# KiCad board RASBB.kicad_pcb (continued)
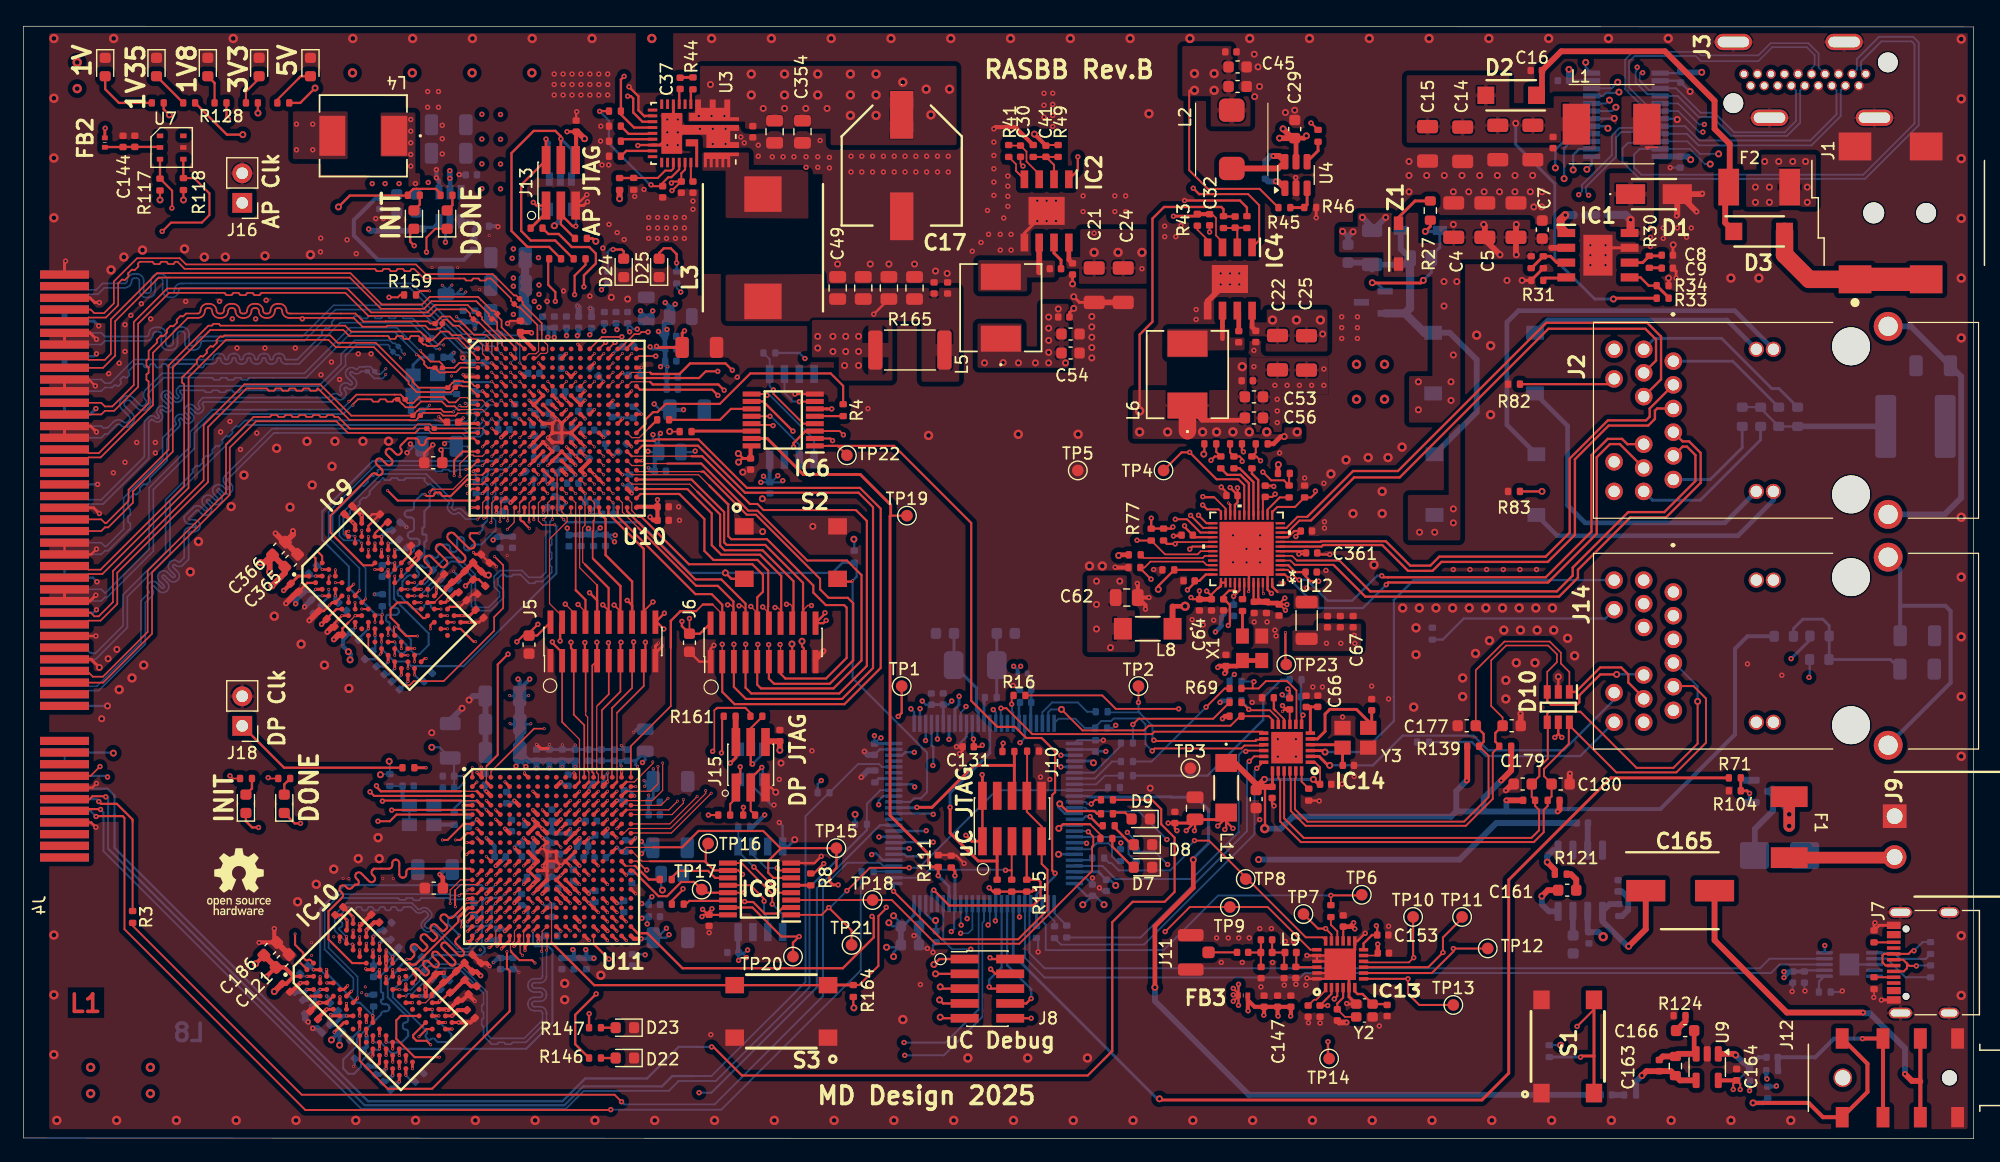
[diagram p0: board, top side]
## Routing (per net, layer and track width the routed paths; a pad name or vN(x,y) marks a point on that pad's centre or on a via; arc(x,y) is an arc through that point) (continued)
/DDR3-2/DDR301_A1: length 27.7
  Top w0.177: v2(34.93,8.05) 34.58,8.4 33.71,8.4 33.43,8.68 33.43,8.9 IC10.P7
  Top w0.25: U11.M6 v2(42.1,21.8)
  In4.Cu w0.177: v2(42.1,21.8) 43.25,20.65 43.25,19.53 43.26,19.52 43.26,17.2 43.95,16.51 45.01,16.51 45.21,16.31 45.21,14.85 37.01,6.65 35.53,6.65 34.92,7.26 34.92,8.04 v2(34.93,8.05)
/DDR3-2/DDR301_A2: length 28.3
  Top w0.25: U11.N4 v2(40.5,21) ; IC10.P3 v2(32.24,7.14)
  In3.Cu w0.177: v2(32.24,7.14) 32.37,7.27 32.37,7.53 32.71,7.87 33.32,7.87 33.47,7.72 33.47,6.93 33.76,6.65 34.1,6.65 34.32,6.87 34.32,7.66 arc(34.28,7.76) 34.17,7.81 arc(34.06,7.85) 34.02,7.96 34.02,8.28 arc(34.06,8.39) 34.17,8.43 34.7,8.43 arc(34.9,8.52) 34.99,8.72 34.99,8.75 arc(34.9,8.95) 34.7,9.03 34.6,9.03 arc(34.4,9.12) 34.32,9.32 34.32,9.86 35.35,10.89 35.68,10.89 36.14,11.35 arc(36.34,11.43) 36.54,11.35 36.57,11.31 arc(36.77,11.23) 36.98,11.31 37,11.34 arc(37.08,11.54) 37,11.74 36.96,11.77 arc(36.88,11.97) 36.96,12.18 36.98,12.2 arc(37.19,12.28) 37.39,12.2 37.49,12.09 arc(37.69,12.01) 37.89,12.09 37.92,12.11 arc(38,12.31) 37.92,12.52 37.81,12.62 arc(37.73,12.82) 37.81,13.02 38.32,13.53 39.4,13.53 39.67,13.8 39.67,14.55 39.56,14.66 arc(39.51,14.78) 39.38,14.84 arc(39.26,14.89) 39.21,15.01 39.21,15.28 arc(39.26,15.41) 39.38,15.46 39.79,15.46 arc(39.95,15.53) 40.01,15.69 40.01,15.83 arc(39.95,15.99) 39.79,16.06 arc(39.63,16.13) 39.56,16.29 39.56,16.54 39.36,16.74 39.36,18.69 arc(39.28,18.89) 39.07,18.97 38.78,18.97 arc(38.58,19.06) 38.49,19.26 38.49,19.29 arc(38.58,19.49) 38.78,19.57 39.07,19.57 arc(39.28,19.66) 39.36,19.86 39.36,20.44 39.53,20.61 40.11,20.61 v2(40.5,21)
/DDR3-2/DDR301_A3: length 28.3
  Top w0.25: U11.T1 v2(38.1,18.6) ; IC10.N2 v2(31.11,7.14)
  In3.Cu w0.177: v2(31.11,7.14) 30.98,7.14 30.59,6.75 30.59,6.47 30.71,6.35 31.17,6.35 31.26,6.44 31.26,6.66 32.01,7.41 32.01,7.84 32.01,7.85 32.01,8.85 arc(32.09,9.03) 32.01,9.22 31.04,10.19 arc(30.97,10.37) 31.04,10.55 31.06,10.57 arc(31.25,10.65) 31.43,10.57 33.17,8.84 arc(33.35,8.76) 33.54,8.84 33.56,8.86 arc(33.63,9.04) 33.56,9.23 32.28,10.5 arc(32.21,10.69) 32.28,10.87 32.3,10.89 arc(32.49,10.97) 32.67,10.89 33.59,9.97 arc(33.78,9.89) 33.96,9.97 33.98,9.99 arc(34.06,10.17) 33.98,10.36 33.94,10.41 arc(33.86,10.59) 33.94,10.78 34.26,11.1 34.59,11.1 34.93,11.44 35.79,11.44 36.04,11.69 36.04,11.88 arc(36.07,11.94) 36.04,12.01 arc(36.01,12.07) 36.04,12.14 36.3,12.4 arc(36.37,12.42) 36.43,12.4 arc(36.49,12.37) 36.56,12.4 36.82,12.66 arc(36.85,12.72) 36.82,12.79 arc(36.79,12.85) 36.82,12.91 37.08,13.17 arc(37.14,13.2) 37.21,13.17 arc(37.27,13.15) 37.33,13.17 37.6,13.44 arc(37.62,13.5) 37.6,13.56 arc(37.57,13.63) 37.6,13.69 37.86,13.95 arc(37.92,13.98) 37.99,13.95 arc(38.05,13.93) 38.11,13.95 38.84,14.68 38.84,16.45 38.56,16.72 38.56,18.14 v2(38.1,18.6)
/DDR3-2/DDR301_A4: length 28.2
  Top w0.177: U11.N6 v2(42.1,21)
  Top w0.25: IC10.P8 v2(35.63,10.53)
  In3.Cu w0.177: v2(35.63,10.53) 34.99,9.89 34.99,9.31 35.37,8.93 35.37,7.94 36.55,6.76 38.19,6.76 38.86,7.43 38.86,8.12 38.1,8.88 36.51,8.88 35.86,9.53 35.86,10.11 36.66,10.91 37.6,10.91 38.37,11.68 38.37,12.03 38.84,12.5 arc(38.89,12.62) 38.84,12.75 arc(38.79,12.87) 38.84,13 39.01,13.17 arc(39.14,13.22) 39.26,13.17 arc(39.38,13.12) 39.51,13.17 40.66,14.33 40.66,16 40.28,16.38 40.28,17.78 40.96,18.46 40.96,19.54 41.16,19.74 41.44,19.74 41.71,20.01 41.71,20.61 v2(42.1,21)
/DDR3-2/DDR301_A5: length 28.2
  Top w0.25: IC10.P2 v2(31.67,6.57) ; U11.R7 v2(42.9,19.4)
  In3.Cu w0.177: v2(42.9,19.4) 43.36,18.94 43.36,18.46 43.56,18.26 43.8,18.26 44.04,18.02 44.04,17.66 43.8,17.42 43.8,15.98 43.53,15.72 43.53,14.51 44.73,13.31 44.73,9.82 39.63,4.72 33.04,4.72 31.67,6.09 v2(31.67,6.57)
/DDR3-2/DDR301_A6: length 28.3
  Top w0.25: IC10.R8 v2(36.2,9.97) ; v2(42.07,16.5) 42.5,16.92 U11.V6
  In3.Cu w0.177: v2(36.2,9.97) 36.85,9.97 37.19,10.31 37.81,10.31 arc(38.01,10.39) 38.21,10.31 38.7,9.82 arc(38.9,9.73) 39.1,9.82 39.12,9.84 arc(39.21,10.04) 39.12,10.24 38.63,10.73 arc(38.55,10.93) 38.63,11.13 38.92,11.42 38.92,11.44 arc(39.12,11.52) 39.32,11.44 40.73,10.03 arc(40.93,9.95) 41.13,10.03 41.16,10.05 arc(41.24,10.25) 41.16,10.45 39.35,12.26 arc(39.27,12.46) 39.35,12.65 39.38,12.68 arc(39.58,12.77) 39.77,12.68 41.58,10.88 arc(41.78,10.79) 41.98,10.88 42,10.9 arc(42.09,11.1) 42,11.3 40.24,13.07 arc(40.17,13.23) 40.24,13.39 40.34,13.49 arc(40.5,13.56) 40.66,13.49 42.04,12.12 arc(42.24,12.03) 42.44,12.12 42.46,12.14 arc(42.55,12.34) 42.46,12.54 41.44,13.56 arc(41.36,13.76) 41.44,13.96 41.76,14.28 41.76,14.37 41.82,14.43 41.82,16.24 v2(42.07,16.5)
/DDR3-2/DDR301_A7: length 27.6
  Top w0.1: 42.9,17.8 42.9,16.85 42.6,16.55 42.6,15.94 v2(42.81,15.73)
  Top w0.25: IC10.R2 v2(32.24,6.01) ; U11.U7 42.9,17.8
  In4.Cu w0.177: v2(32.24,6.01) 32.15,5.92 31.5,5.92 30.33,4.75 29.68,4.75 28.95,5.49 28.95,6.76 31.3,9.11 32.07,9.11 34.82,11.86 35.25,11.86 35.62,12.23 40.89,12.23 41.89,13.23 41.89,14.5 42.08,14.69 42.12,14.69 42.14,14.71 42.67,14.71 42.79,14.83 42.79,15.71 v2(42.81,15.73)
/DDR3-2/DDR301_A8: length 28.2
  Top w0.25: IC10.T8 v2(36.76,9.4) ; U11.R8 v2(43.7,19.4)
  In3.Cu w0.177: v2(43.7,19.4) 43.35,19.75 42.65,19.75 42.45,19.55 42.45,18.5 arc(42.48,18.43) 42.55,18.4 arc(42.62,18.37) 42.65,18.3 42.65,17.95 arc(42.62,17.88) 42.55,17.85 41.91,17.85 arc(41.73,17.78) 41.65,17.59 41.65,17.56 arc(41.73,17.38) 41.91,17.3 42.19,17.3 arc(42.37,17.23) 42.45,17.04 42.45,16.69 arc(42.48,16.62) 42.55,16.59 arc(42.62,16.56) 42.65,16.49 42.65,16.14 arc(42.62,16.07) 42.55,16.04 arc(42.48,16.01) 42.45,15.94 42.45,15.69 arc(42.41,15.59) 42.3,15.54 arc(42.19,15.5) 42.15,15.39 42.15,15.14 arc(42.19,15.04) 42.3,14.99 arc(42.41,14.95) 42.45,14.84 42.9,14.39 42.9,13.81 arc(42.97,13.64) 43.15,13.56 arc(43.33,13.49) 43.4,13.31 43.4,13.26 arc(43.33,13.09) 43.15,13.01 arc(42.97,12.94) 42.9,12.76 42.9,12.71 arc(42.97,12.54) 43.15,12.46 arc(43.33,12.39) 43.4,12.21 43.4,12.16 arc(43.33,11.99) 43.15,11.91 42.77,11.91 arc(42.69,11.88) 42.65,11.79 42.65,11.49 arc(42.69,11.4) 42.77,11.36 arc(42.86,11.33) 42.9,11.24 42.24,10.58 arc(42.17,10.4) 42.24,10.21 42.37,10.09 arc(42.44,9.9) 42.37,9.72 42.35,9.7 arc(42.16,9.62) 41.98,9.7 41.85,9.82 arc(41.67,9.9) 41.48,9.82 41.06,9.4 40.65,9.4 arc(40.46,9.48) 40.39,9.66 40.39,9.79 arc(40.31,9.97) 40.13,10.05 40.1,10.05 arc(39.91,9.97) 39.84,9.79 39.84,7.31 arc(39.76,7.13) 39.58,7.05 39.55,7.05 arc(39.36,7.13) 39.29,7.31 39.29,9.14 arc(39.21,9.32) 39.03,9.4 38.68,9.4 arc(38.61,9.37) 38.58,9.3 arc(38.55,9.23) 38.48,9.2 38.13,9.2 arc(38.06,9.23) 38.03,9.3 arc(38,9.37) 37.93,9.4 v2(36.76,9.4)
/DDR3-2/DDR301_A9: length 28.3
  Top w0.25: v2(43.02,16.13) 43.02,16.54 43.3,16.82 U11.V7 ; IC10.R3 v2(32.8,6.57)
  In3.Cu w0.177: v2(32.8,6.57) 33,6.37 33.49,6.37 34.02,5.84 arc(34.22,5.76) 34.3,5.55 34.3,5.39 arc(34.39,5.19) 34.59,5.1 34.62,5.1 arc(34.82,5.19) 34.9,5.39 34.9,6.29 arc(34.99,6.49) 35.19,6.58 35.22,6.58 arc(35.42,6.49) 35.5,6.29 35.5,5.39 arc(35.59,5.19) 35.79,5.1 35.82,5.1 arc(36.02,5.19) 36.1,5.39 36.1,6.1 arc(36.18,6.29) 36.37,6.37 36.44,6.37 arc(36.62,6.29) 36.7,6.1 36.7,5.39 arc(36.79,5.19) 36.99,5.1 37.02,5.1 arc(37.22,5.19) 37.3,5.39 37.3,6.1 arc(37.38,6.28) 37.56,6.36 37.64,6.36 arc(37.83,6.28) 37.9,6.1 arc(37.98,5.92) 38.16,5.84 38.94,5.84 39.4,6.3 arc(39.6,6.38) 39.8,6.3 39.92,6.18 arc(40.12,6.1) 40.32,6.18 40.34,6.2 arc(40.43,6.4) 40.34,6.61 40.23,6.72 arc(40.14,6.93) 40.23,7.13 43.71,10.61 43.71,13.9 43.23,14.38 43.23,15.81 43.02,16.02 v2(43.02,16.13)
/DDR3-2/DDR301_A10/AP: length 28.6
  Top w0.25: IC10.L7 v2(33.37,11.66) ; U11.R6 v2(42.1,19.4)
  In4.Cu w0.177: 33.37,11.66 v2(33.37,11.66) 33.49,11.78 33.49,11.78 33.49,11.88 33.35,12.02 33.08,12.02 32.72,11.66 32.53,11.66 31.48,10.61 31.47,10.61 30.49,9.63 30.49,9.32 30.65,9.16 30.9,9.16 31.2,9.46 31.8,9.46 34.91,12.57 arc(35,12.61) 35.03,12.69 arc(35.07,12.78) 35.16,12.82 35.46,12.82 arc(35.55,12.78) 35.58,12.69 arc(35.62,12.61) 35.71,12.57 36.01,12.57 arc(36.1,12.61) 36.13,12.69 arc(36.17,12.78) 36.26,12.82 36.56,12.82 arc(36.65,12.78) 36.68,12.69 arc(36.72,12.61) 36.81,12.57 37.11,12.57 arc(37.2,12.61) 37.23,12.69 arc(37.27,12.78) 37.36,12.82 37.66,12.82 arc(37.75,12.78) 37.78,12.69 arc(37.82,12.61) 37.91,12.57 38.21,12.57 arc(38.3,12.61) 38.33,12.69 arc(38.37,12.78) 38.46,12.82 38.76,12.82 arc(38.85,12.78) 38.88,12.69 arc(38.92,12.61) 39.01,12.57 39.52,12.57 39.95,12.99 arc(39.98,13.08) 39.95,13.17 arc(39.91,13.26) 39.95,13.35 40.16,13.56 arc(40.25,13.6) 40.34,13.56 40.84,13.05 arc(41.03,12.98) 41.21,13.05 41.23,13.07 arc(41.31,13.26) 41.23,13.44 40.73,13.95 arc(40.69,14.04) 40.73,14.12 40.94,14.34 arc(41.03,14.37) 41.11,14.34 arc(41.2,14.3) 41.29,14.34 41.5,14.55 arc(41.54,14.64) 41.5,14.73 arc(41.47,14.81) 41.5,14.9 41.72,15.11 arc(41.8,15.15) 41.89,15.11 arc(41.98,15.08) 42.07,15.11 42.41,15.46 42.41,16.06 arc(42.45,16.15) 42.54,16.19 arc(42.63,16.22) 42.66,16.31 42.66,16.61 arc(42.63,16.7) 42.54,16.74 arc(42.45,16.77) 42.41,16.86 42.41,17.23 41.97,17.68 41.97,18.08 41.76,18.29 41.76,18.74 42.1,19.08 v2(42.1,19.4)
/DDR3-2/DDR301_A11: length 27.6
  Top w0.1: U11.U6 42.12,17.81 42.12,16.96 41.77,16.62 41.77,16.15 41.84,16.08
  Top w0.177: 41.84,16.08 41.84,16.01 42.54,15.31 43.63,15.31 v2(43.88,15.07) ; v2(33.93,8.74) 34.58,9.4 IC10.R7
  In4.Cu w0.177: v2(43.88,15.07) 43.88,14.7 43.15,13.98 43.15,13.75 40.86,11.46 38.8,11.46 arc(38.6,11.37) 38.52,11.17 38.52,11.06 arc(38.43,10.85) 38.23,10.77 38.2,10.77 arc(38,10.85) 37.92,11.06 37.92,11.61 arc(37.87,11.72) 37.76,11.76 37.47,11.76 arc(37.36,11.72) 37.32,11.61 37.32,11.23 arc(37.25,11.06) 37.08,10.99 36.95,10.99 arc(36.78,11.06) 36.72,11.23 36.72,11.6 arc(36.67,11.7) 36.57,11.74 36.17,11.74 arc(36.07,11.7) 36.03,11.6 arc(35.99,11.5) 35.89,11.46 35.59,11.46 35.59,11.45 34.84,11.45 31.79,8.4 31.79,8.08 32.38,7.49 33.11,7.49 33.93,8.3 v2(33.93,8.74)
/DDR3-2/DDR301_A12/nBC: length 27.6
  Top w0.177: v2(35.68,6.99) 33.56,6.99 31.98,8.57 31.98,10.15 32.36,10.53 IC10.N7
  Top w0.25: U11.T6 v2(42.1,18.6)
  In4.Cu w0.177: v2(35.68,6.99) 36.87,6.99 37.59,7.71 arc(37.67,7.91) 37.59,8.11 37.44,8.25 arc(37.36,8.46) 37.44,8.66 37.46,8.68 arc(37.66,8.76) 37.87,8.68 38.01,8.53 arc(38.21,8.45) 38.41,8.53 38.43,8.55 arc(38.52,8.76) 38.43,8.96 38.29,9.1 arc(38.21,9.3) 38.29,9.51 38.31,9.53 arc(38.51,9.61) 38.71,9.53 38.86,9.38 arc(39.06,9.3) 39.26,9.38 39.73,9.85 44.25,14.37 44.25,15.77 43.69,16.32 43.45,16.32 42.95,16.82 42.95,17.16 42.28,17.83 42.28,18.42 v2(42.1,18.6)
/DDR3-2/DDR301_A13: length 27.6
  Top w0.25: U11.T8 v2(43.7,18.6) ; IC10.T3 v2(33.37,6.01)
  In4.Cu w0.177: v2(43.7,18.6) 45.53,16.77 45.53,14.52 42.27,11.26 arc(42.19,11.06) 42.27,10.86 42.38,10.75 arc(42.46,10.55) 42.38,10.34 42.36,10.32 arc(42.16,10.24) 41.95,10.32 41.85,10.43 arc(41.64,10.52) 41.44,10.43 41.42,10.41 arc(41.34,10.21) 41.42,10.01 41.53,9.9 arc(41.61,9.7) 41.53,9.5 41.51,9.48 arc(41.31,9.39) 41.11,9.48 41,9.58 arc(40.8,9.67) 40.59,9.58 40.57,9.56 arc(40.49,9.36) 40.57,9.16 40.68,9.05 arc(40.77,8.85) 40.68,8.65 40.66,8.63 arc(40.46,8.54) 40.26,8.63 40.15,8.74 arc(39.95,8.82) 39.75,8.74 39.72,8.71 arc(39.64,8.51) 39.72,8.31 39.83,8.2 arc(39.92,8) 39.83,7.8 39.81,7.78 arc(39.61,7.69) 39.41,7.78 39.3,7.89 arc(39.1,7.97) 38.9,7.89 38.88,7.87 arc(38.79,7.66) 38.88,7.46 38.98,7.35 arc(39.07,7.15) 38.98,6.95 38.96,6.93 arc(38.76,6.85) 38.56,6.93 38.45,7.04 arc(38.25,7.12) 38.05,7.04 38.03,7.02 arc(37.94,6.82) 38.03,6.61 38.14,6.51 arc(38.22,6.3) 38.14,6.1 38.11,6.08 arc(37.91,6) 37.71,6.08 37.6,6.19 arc(37.4,6.27) 37.2,6.19 36.76,5.75 33.63,5.75 v2(33.37,6.01)
/DDR3-2/DDR301_BA0: length 26.4
  Top w0.177: 37.45,19.12 37.29,18.97 37.29,18.59 33.64,14.94 33.23,14.94 33.13,15.04 32.75,15.04 v2(32.31,15.48)
  Top w0.25: 37.45,19.12 37.45,19.12 38.13,19.8 U11.R1 ; IC10.M2 v2(30.54,7.7)
  Bottom w0.177: v2(30.54,7.7) 30.46,7.62 29.98,7.62 28.96,6.6 28.96,6.17 28.36,5.57 27.87,5.57 27.43,6.01 27.43,6.79 28.6,7.96 28.6,8.58 30.66,10.64 arc(30.74,10.84) 30.94,10.92 31.11,10.92 arc(31.31,11.01) 31.4,11.21 31.4,11.24 arc(31.31,11.44) 31.11,11.52 30.94,11.52 arc(30.74,11.61) 30.66,11.81 30.66,11.84 arc(30.69,11.91) 30.76,11.94 arc(30.83,11.97) 30.86,12.04 30.86,12.44 arc(30.83,12.51) 30.76,12.54 arc(30.69,12.57) 30.66,12.64 30.66,13.99 32.15,15.48 v2(32.31,15.48)
/DDR3-2/DDR301_BA1: length 26.3
  Top w0.25: U11.P4 v2(40.5,20.2) ; IC10.N8 v2(35.07,11.1)
  Bottom w0.177: v2(35.07,11.1) 35.07,10.6 36.7,8.97 36.7,8.59 36.4,8.29 35.53,8.29 35.28,8.54 arc(35.13,8.6) 34.97,8.54 arc(34.82,8.48) 34.67,8.54 34.55,8.66 arc(34.49,8.81) 34.55,8.97 arc(34.61,9.12) 34.55,9.27 31.69,12.13 31.69,12.73 32.56,13.6 32.87,13.6 33.71,14.44 33.71,14.44 34.27,15 34.44,15 35.18,15.74 39.25,15.74 39.56,16.05 39.56,16.33 39.31,16.58 39.31,17.94 39.63,18.26 39.84,18.26 40.16,18.58 40.16,18.74 40.15,18.75 40.15,18.93 40.16,18.94 40.16,19.86 v2(40.5,20.2)
/DDR3-2/DDR301_BA2: length 26.4
  Top w0.1: U11.P2 38.91,20.21 38.01,20.21 37.66,19.86
  Top w0.177: 37.66,19.86 37.66,19.82 37.19,19.35 37.18,19.35 36.83,19 arc(36.63,18.92) 36.43,19 36.26,19.16 arc(36.06,19.25) 35.86,19.16 35.84,19.14 arc(35.76,18.94) 35.84,18.74 36.31,18.27 arc(36.35,18.16) 36.31,18.06 36.1,17.84 arc(35.99,17.8) 35.89,17.84 35.42,18.31 arc(35.21,18.4) 35.01,18.31 34.99,18.29 arc(34.91,18.09) 34.99,17.89 35.46,17.42 arc(35.51,17.31) 35.46,17.21 35.25,17 arc(35.14,16.95) 35.04,17 34.57,17.47 arc(34.37,17.55) 34.16,17.47 34.14,17.44 arc(34.06,17.24) 34.14,17.04 34.61,16.57 arc(34.66,16.47) 34.61,16.36 34.4,16.15 arc(34.3,16.1) 34.19,16.15 33.72,16.62 arc(33.52,16.7) 33.32,16.62 33.29,16.6 arc(33.21,16.39) 33.29,16.19 33.46,16.03 arc(33.54,15.83) 33.46,15.63 33.22,15.39 v2(32.89,15.39)
  Top w0.25: IC10.M3 v2(31.11,8.27)
  Bottom w0.177: v2(32.89,15.39) 32.46,14.96 32.46,14.94 32.01,14.49 32.01,14.35 31.25,13.59 31.25,12.14 33,10.39 33,10.19 arc(32.93,10.03) 32.77,9.96 arc(32.61,9.9) 32.54,9.74 32.54,9.59 arc(32.61,9.43) 32.77,9.36 arc(32.93,9.3) 33,9.14 33,8.81 32.46,8.27 v2(31.11,8.27)
/DDR3-2/DDR301_CLKE: length 26.4
  Top w0.177: IC10.K9 33.62,13.61 arc(33.7,13.8) 33.62,13.98 33.46,14.14 arc(33.39,14.33) 33.46,14.51 33.48,14.53 arc(33.67,14.61) 33.85,14.53 34.34,14.05 arc(34.48,13.99) 34.62,14.05 34.73,14.16 arc(34.78,14.3) 34.73,14.44 34.35,14.81 arc(34.27,15) 34.35,15.18 34.37,15.2 arc(34.55,15.28) 34.74,15.2 35.18,14.76 arc(35.36,14.69) 35.55,14.76 35.57,14.78 arc(35.64,14.97) 35.57,15.15 35.13,15.59 arc(35.05,15.78) 35.13,15.96 35.15,15.98 arc(35.33,16.06) 35.51,15.98 36.59,14.9 arc(36.78,14.83) 36.96,14.9 36.98,14.92 arc(37.06,15.11) 36.98,15.29 35.9,16.37 arc(35.83,16.55) 35.9,16.74 35.92,16.76 arc(36.11,16.84) 36.29,16.76 37.33,15.72 arc(37.52,15.64) 37.7,15.72 37.72,15.74 arc(37.8,15.92) 37.72,16.11 37.1,16.73 arc(37.03,16.91) 37.1,17.09 37.37,17.36 v2(37.37,17.47)
  Top w0.25: U11.N5 v2(41.3,21)
  Bottom w0.177: v2(41.3,21) 40.96,20.66 39.68,20.66 39.36,20.34 39.36,18.42 39.15,18.21 37.99,18.21 37.7,18.5 37.7,18.53 37.17,19.06 36.69,19.06 36.42,18.79 36.42,18.42 v2(37.37,17.47)
/DDR3-2/DDR301_DQ0: length 25
  Top w0.25: U11.K5 v2(41.3,23.4) ; IC10.E3 27.49,12.79 v2(27.81,13.12)
  In3.Cu w0.177: v2(41.3,23.4) 40.96,23.74 40.14,23.74 40.02,23.62 34.66,23.62 32.51,21.47 arc(32.31,21.38) 32.1,21.47 32.08,21.49 arc(31.87,21.58) 31.67,21.49 31.65,21.47 arc(31.57,21.27) 31.65,21.07 31.68,21.04 arc(31.76,20.84) 31.68,20.64 31.66,20.62 arc(31.46,20.53) 31.26,20.62 31.23,20.65 arc(31.03,20.73) 30.82,20.65 30.8,20.63 arc(30.72,20.42) 30.8,20.22 31.26,19.76 arc(31.35,19.56) 31.26,19.36 31.24,19.34 arc(31.04,19.25) 30.84,19.34 30.38,19.8 arc(30.18,19.88) 29.98,19.8 29.95,19.78 arc(29.87,19.57) 29.95,19.37 29.98,19.34 arc(30.07,19.14) 29.98,18.94 27.81,16.77 v2(27.81,13.12)
/DDR3-2/DDR301_DQ1: length 25
  Top w0.25: U11.L3 v2(39.7,22.6) ; v2(29.35,14.57) 29.43,14.49 IC10.F7
  In3.Cu w0.177: v2(29.35,14.57) 29.35,16.05 30.4,17.09 30.86,17.09 31.54,17.77 arc(31.66,17.82) 31.78,17.77 arc(31.9,17.73) 32.01,17.77 32.17,17.94 arc(32.22,18.05) 32.17,18.17 31.79,18.55 arc(31.72,18.74) 31.79,18.92 31.81,18.94 arc(32,19.02) 32.18,18.94 32.56,18.56 arc(32.68,18.51) 32.8,18.56 32.95,18.71 arc(33,18.83) 32.95,18.95 32.46,19.44 arc(32.39,19.62) 32.46,19.81 32.48,19.83 arc(32.67,19.9) 32.85,19.83 33.34,19.34 arc(33.46,19.29) 33.58,19.34 33.73,19.49 arc(33.78,19.61) 33.73,19.73 33.44,20.01 arc(33.37,20.19) 33.44,20.36 33.49,20.4 arc(33.66,20.47) 33.83,20.4 34.12,20.11 arc(34.24,20.07) 34.36,20.11 34.51,20.27 arc(34.56,20.38) 34.51,20.5 34.22,20.79 arc(34.15,20.96) 34.22,21.13 34.27,21.18 arc(34.44,21.25) 34.61,21.18 34.9,20.89 arc(35.02,20.84) 35.13,20.89 35.29,21.04 arc(35.34,21.16) 35.29,21.28 34.8,21.77 arc(34.72,21.96) 34.8,22.14 34.82,22.16 arc(35,22.24) 35.19,22.16 35.67,21.67 arc(35.79,21.62) 35.91,21.67 36.06,21.83 arc(36.11,21.94) 36.06,22.06 arc(36.02,22.18) 36.06,22.29 36.73,22.96 arc(36.91,22.88) 36.99,22.7 36.99,22.68 arc(37.07,22.5) 37.25,22.42 37.28,22.42 arc(37.46,22.5) 37.54,22.68 37.54,22.7 arc(37.62,22.88) 37.8,22.96 39.34,22.96 v2(39.7,22.6)
/DDR3-2/DDR301_DQ2: length 25
  Top w0.177: U11.K3 v2(39.7,24.2)
  Top w0.25: IC10.F2 27.15,12.18 v2(27.15,12.18)
  In3.Cu w0.177: v2(39.7,24.2) 39.44,23.94 33.87,23.94 32.99,23.06 30.53,23.06 29.69,22.22 arc(29.6,22.01) 29.69,21.81 29.74,21.76 arc(29.83,21.55) 29.74,21.35 29.72,21.33 arc(29.52,21.25) 29.32,21.33 28.8,21.85 arc(28.6,21.93) 28.4,21.85 28.38,21.83 arc(28.29,21.63) 28.38,21.42 28.43,21.37 arc(28.52,21.17) 28.43,20.96 27.35,19.88 27.35,17.17 27.47,17.05 27.47,12.5 v2(27.15,12.18)
/DDR3-2/DDR301_DQ3: length 25
  Top w0.25: IC10.F8 v2(30.54,15.62) ; U11.L6 v2(42.1,22.6)
  In3.Cu w0.177: v2(30.54,15.62) 30.76,15.84 31.41,15.84 31.53,15.96 32.46,15.96 arc(32.49,16.04) 32.46,16.11 arc(32.43,16.19) 32.46,16.27 32.71,16.52 arc(32.79,16.55) 32.86,16.52 33.48,15.9 arc(33.67,15.82) 33.85,15.9 33.87,15.92 arc(33.95,16.1) 33.87,16.29 33.25,16.91 arc(33.22,16.98) 33.25,17.06 33.49,17.3 arc(33.56,17.33) 33.64,17.3 34.26,16.68 arc(34.44,16.6) 34.63,16.68 34.65,16.7 arc(34.72,16.88) 34.65,17.07 34.03,17.68 arc(34,17.76) 34.03,17.84 34.26,18.07 arc(34.34,18.11) 34.42,18.07 35.04,17.46 arc(35.22,17.38) 35.41,17.46 35.43,17.47 arc(35.5,17.66) 35.43,17.84 34.81,18.46 arc(34.78,18.54) 34.81,18.62 35.04,18.85 arc(35.12,18.88) 35.2,18.85 35.81,18.23 arc(36,18.16) 36.18,18.23 36.2,18.25 arc(36.28,18.44) 36.2,18.62 35.85,18.98 arc(35.77,19.16) 35.85,19.35 36.26,19.76 36.26,20.32 37.69,21.75 39.27,21.75 39.56,21.46 41.44,21.46 41.71,21.73 41.71,22.21 v2(42.1,22.6)
/DDR3-2/DDR301_DQ4: length 25
  Top w0.25: v2(28.84,10.52) 28.84,10.52 IC10.H3 ; U11.M3 v2(39.7,21.8)
  In3.Cu w0.177: v2(28.84,10.52) 30.05,11.73 30.05,15.61 30.97,16.53 31.28,16.53 31.42,16.67 arc(31.47,16.79) 31.42,16.91 arc(31.37,17.03) 31.42,17.15 31.58,17.3 arc(31.7,17.35) 31.82,17.3 32.24,16.88 arc(32.42,16.81) 32.61,16.88 32.63,16.9 arc(32.71,17.09) 32.63,17.27 32.51,17.39 arc(32.43,17.58) 32.51,17.76 32.53,17.78 arc(32.71,17.86) 32.9,17.78 33.02,17.66 arc(33.2,17.58) 33.39,17.66 33.41,17.68 arc(33.48,17.87) 33.41,18.05 33.29,18.17 arc(33.21,18.35) 33.29,18.54 33.31,18.56 arc(33.49,18.63) 33.68,18.56 33.8,18.44 arc(33.98,18.36) 34.16,18.44 34.18,18.46 arc(34.26,18.64) 34.18,18.83 34.07,18.95 arc(33.99,19.13) 34.07,19.32 34.09,19.34 arc(34.27,19.41) 34.45,19.34 34.57,19.22 arc(34.76,19.14) 34.94,19.22 34.96,19.24 arc(35.04,19.42) 34.96,19.61 34.84,19.72 arc(34.77,19.91) 34.84,20.09 34.86,20.11 arc(35.05,20.19) 35.23,20.11 35.35,19.99 arc(35.54,19.92) 35.72,19.99 35.74,20.01 arc(35.82,20.2) 35.74,20.38 35.62,20.5 arc(35.54,20.69) 35.62,20.87 35.64,20.89 arc(35.81,20.96) 35.98,20.89 arc(36.15,20.82) 36.32,20.89 36.37,20.94 arc(36.44,21.11) 36.37,21.28 arc(36.3,21.45) 36.37,21.62 36.82,22.07 39.43,22.07 v2(39.7,21.8)
/DDR3-2/DDR301_DQ5: length 25
  Top w0.1: v2(36.6,20.18) 36.6,21.32 37.48,22.2 U11.M1
  Top w0.25: IC10.H8 v2(31.67,14.49)
  In3.Cu w0.177: v2(31.67,14.49) 31.67,14.97 31.25,15.4 30.97,15.4 30.77,15.2 30.77,14.79 30.93,14.63 30.93,14.58 31.47,14.04 31.47,13.79 31.19,13.51 31.19,13.28 31.49,12.98 31.91,12.98 32.72,13.79 arc(32.92,13.87) 33.12,13.79 33.51,13.4 arc(33.71,13.31) 33.91,13.4 33.93,13.42 arc(34.02,13.62) 33.93,13.82 33.54,14.21 arc(33.46,14.41) 33.54,14.61 33.57,14.64 33.59,14.64 33.59,15.04 arc(33.79,15.12) 33.99,15.04 34.38,14.65 arc(34.58,14.57) 34.79,14.65 34.81,14.67 arc(34.89,14.87) 34.81,15.07 34.42,15.46 arc(34.33,15.67) 34.42,15.87 34.44,15.89 arc(34.64,15.97) 34.84,15.89 35.23,15.5 arc(35.43,15.42) 35.63,15.5 35.66,15.52 arc(35.74,15.72) 35.66,15.92 35.27,16.31 arc(35.18,16.51) 35.27,16.72 35.29,16.74 arc(35.49,16.82) 35.69,16.74 36.08,16.35 arc(36.28,16.26) 36.48,16.35 36.5,16.37 arc(36.59,16.57) 36.5,16.77 36.11,17.16 arc(36.03,17.36) 36.11,17.56 36.6,18.05 v2(36.6,20.18)
/DDR3-2/DDR301_DQ6: length 25
  Top w0.25: v2(27.71,11.6) 27.71,11.6 IC10.G2 ; U11.L4 v2(40.5,22.6)
  In3.Cu w0.177: v2(27.71,11.6) 28.5,12.39 28.5,16.04 28.5,16.05 28.5,16.33 29.83,17.66 29.84,17.66 arc(30.04,17.74) 30.24,17.66 30.29,17.62 arc(30.49,17.53) 30.69,17.62 30.71,17.64 arc(30.79,17.84) 30.71,18.04 30.67,18.08 arc(30.58,18.29) 30.67,18.49 31.09,18.91 31.31,18.91 31.69,19.3 31.69,19.97 arc(31.79,20.01) 31.89,19.97 arc(31.98,19.93) 32.08,19.97 32.32,20.22 arc(32.36,20.31) 32.32,20.41 32.13,20.6 arc(32.09,20.7) 32.13,20.8 32.36,21.03 arc(32.45,21.07) 32.55,21.03 32.89,20.68 arc(33.09,20.6) 33.3,20.68 33.32,20.7 arc(33.4,20.91) 33.32,21.11 33.27,21.15 arc(33.19,21.35) 33.27,21.55 33.3,21.58 arc(33.5,21.66) 33.7,21.58 33.74,21.53 arc(33.94,21.45) 34.14,21.53 34.17,21.55 arc(34.25,21.75) 34.17,21.96 34.12,22 arc(34.04,22.2) 34.12,22.4 35.03,23.31 39.79,23.31 v2(40.5,22.6)
/DDR3-2/DDR301_DQ7: length 25
  Top w0.1: 38.9,21.8 37.51,21.8 37.02,21.31
  Top w0.177: 37.02,21.31 37.02,19.92 v2(37.05,19.89)
  Top w0.25: U11.M2 38.9,21.8 ; IC10.H7 v2(31.11,13.93)
  In3.Cu w0.177: v2(31.11,13.93) 30.95,13.93 30.48,13.46 30.48,13.03 30.63,12.88 30.63,12.37 30.39,12.13 30.39,11.48 30.5,11.37 30.86,11.37 31.2,11.71 32.84,11.71 33.52,12.39 arc(33.56,12.48) 33.52,12.57 arc(33.48,12.65) 33.52,12.74 33.73,12.95 arc(33.82,12.99) 33.91,12.95 arc(34,12.92) 34.08,12.95 34.3,13.17 arc(34.48,13.24) 34.67,13.17 34.86,12.97 arc(35.05,12.89) 35.23,12.97 35.25,12.99 arc(35.33,13.18) 35.25,13.36 34.73,13.88 arc(34.67,14.02) 34.73,14.16 34.84,14.27 arc(34.98,14.33) 35.12,14.27 arc(35.26,14.21) 35.4,14.27 35.51,14.38 arc(35.57,14.54) 35.51,14.69 arc(35.44,14.85) 35.51,15.01 35.58,15.08 arc(35.74,15.15) 35.9,15.08 36.68,14.3 arc(36.87,14.22) 37.05,14.3 37.07,14.32 arc(37.15,14.5) 37.07,14.69 36.63,15.13 arc(36.55,15.31) 36.63,15.5 37.05,15.92 37.05,17.35 36.9,17.5 36.9,17.92 37.05,18.07 v2(37.05,19.89)
/DDR3-2/DDR301_DQ8: length 22.7
  Top w0.25: U11.V4 40.9,16.79 v2(40.62,16.52) ; IC10.D7 v2(28.84,16.19)
  In4.Cu w0.177: v2(28.84,16.19) 28.84,15.7 27.56,14.42 27.56,14.05 27.73,13.88 28.32,13.88 28.65,14.21 28.65,14.62 29.79,15.76 30.2,15.76 30.4,15.96 30.68,15.96 31.12,15.52 31.12,15.52 31.29,15.52 31.53,15.28 31.91,15.28 32.14,15.05 33.57,15.05 33.74,14.88 arc(33.85,14.93) 33.9,15.04 arc(33.95,15.15) 34.06,15.2 34.4,15.2 arc(34.52,15.15) 34.56,15.04 34.56,14.55 arc(34.65,14.35) 34.85,14.27 34.88,14.27 arc(35.08,14.35) 35.16,14.55 35.16,15.05 arc(35.21,15.17) 35.33,15.22 35.6,15.22 arc(35.72,15.17) 35.76,15.05 35.76,14.79 arc(35.79,14.73) 35.85,14.7 36.28,14.7 arc(36.34,14.73) 36.37,14.79 arc(36.39,14.85) 36.45,14.88 36.81,14.88 arc(37.02,14.8) 37.1,14.59 37.1,14.46 arc(37.18,14.25) 37.38,14.17 37.41,14.17 arc(37.62,14.25) 37.7,14.46 37.7,14.59 arc(37.78,14.8) 37.98,14.88 38.99,14.88 v2(40.62,16.52)
/DDR3-2/DDR301_DQ9: length 22.7
  Top w0.25: U11.T4 v2(40.5,18.6) ; IC10.C3 26.02,14.49 v2(25.99,14.52)
  In4.Cu w0.177: v2(40.5,18.6) 40.16,18.26 39.68,18.26 39.26,17.84 39.26,17.68 39.04,17.46 37.96,17.46 37.6,17.82 37.24,17.82 35.7,19.36 30.24,19.36 arc(30.07,19.43) 30,19.6 arc(29.93,19.77) 29.76,19.84 29.64,19.84 arc(29.47,19.77) 29.4,19.6 29.4,19.27 arc(29.37,19.2) 29.31,19.18 28.85,19.18 arc(28.79,19.2) 28.76,19.27 arc(28.74,19.33) 28.67,19.36 26.89,19.36 25.42,17.89 25.42,15.09 v2(25.99,14.52)
/DDR3-2/DDR301_DQ10: length 22.7
  Top w0.1: U11.U4 40.51,17.81 40.51,16.88 40.14,16.5
  Top w0.177: 40.14,16.5 40.03,16.39 v2(39.93,16.39)
  Top w0.2: v2(28.84,17.32) IC10.C8
  In4.Cu w0.177: v2(28.84,17.32) 28.94,17.42 29.48,17.42 29.88,17.02 30.16,17.02 30.49,17.36 30.68,17.36 arc(30.88,17.44) 30.97,17.64 30.97,17.92 arc(31.05,18.12) 31.25,18.21 31.28,18.21 arc(31.48,18.12) 31.57,17.92 31.57,17.19 arc(31.62,17.07) 31.73,17.02 32,17.02 arc(32.12,17.07) 32.17,17.19 32.17,17.92 arc(32.25,18.12) 32.45,18.21 32.48,18.21 arc(32.68,18.12) 32.77,17.92 32.77,17.17 arc(32.82,17.03) 32.96,16.97 33.18,16.97 arc(33.31,17.03) 33.37,17.17 33.37,17.92 arc(33.45,18.12) 33.65,18.21 33.68,18.21 arc(33.88,18.12) 33.97,17.92 33.97,17.17 arc(34.02,17.03) 34.16,16.97 34.38,16.97 arc(34.51,17.03) 34.57,17.17 34.57,17.92 arc(34.65,18.12) 34.85,18.21 34.88,18.21 arc(35.08,18.12) 35.17,17.92 35.17,17.12 arc(35.24,16.95) 35.4,16.89 35.53,16.89 arc(35.7,16.95) 35.77,17.12 arc(35.84,17.29) 36,17.36 36.44,17.36 37.23,16.57 38.24,16.57 38.25,16.58 39.74,16.58 v2(39.93,16.39)